# Altium PCB PCB1.PcbDoc (part 1 of 2)
Units mm, origin at the board's own origin, x right, y up, seen from the top; angles counter-clockwise.
Board outline 145.8 x 183.3 mm, 2 copper layers (TOP, BOTTOM), stack 1.571 mm thick; 149 components, 161 nets, 634 pads, 198 vias.
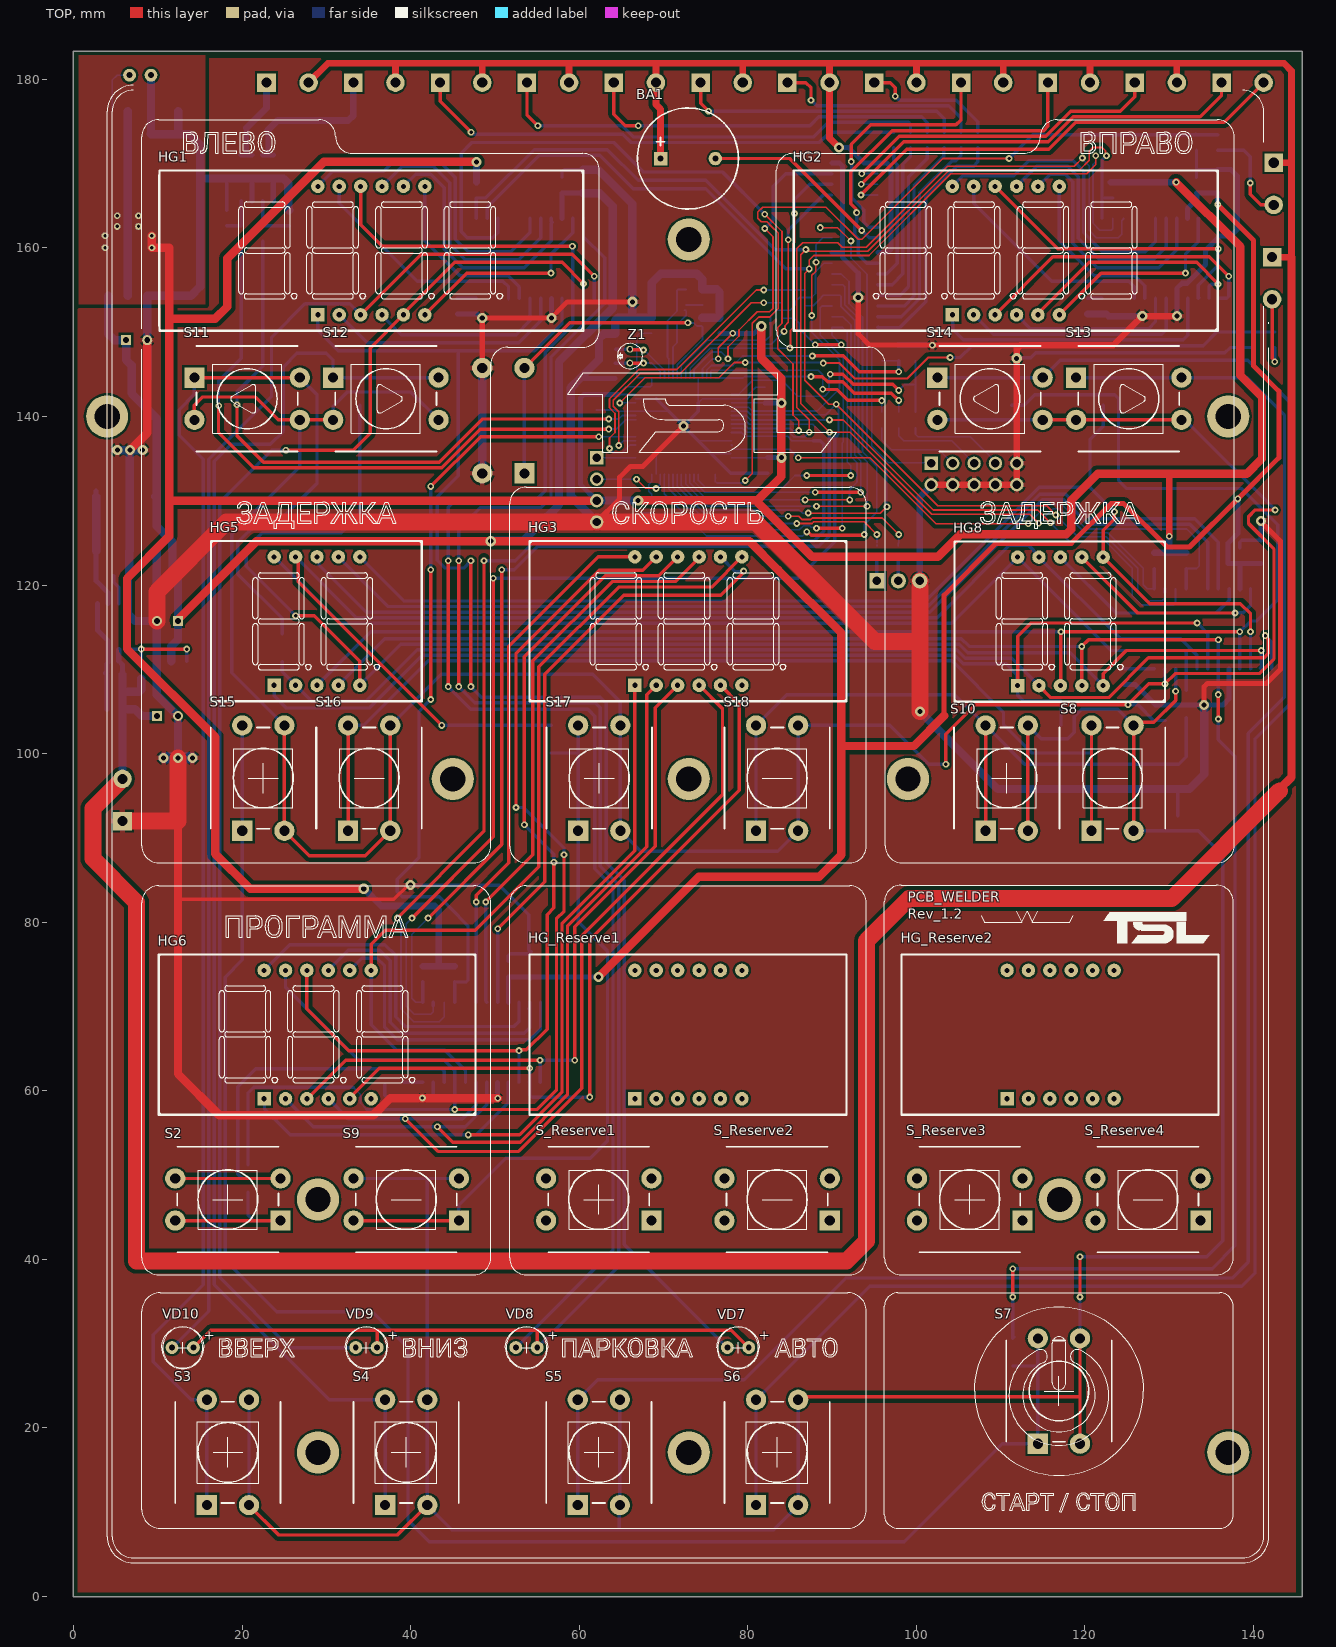
[diagram p0: TOP view]
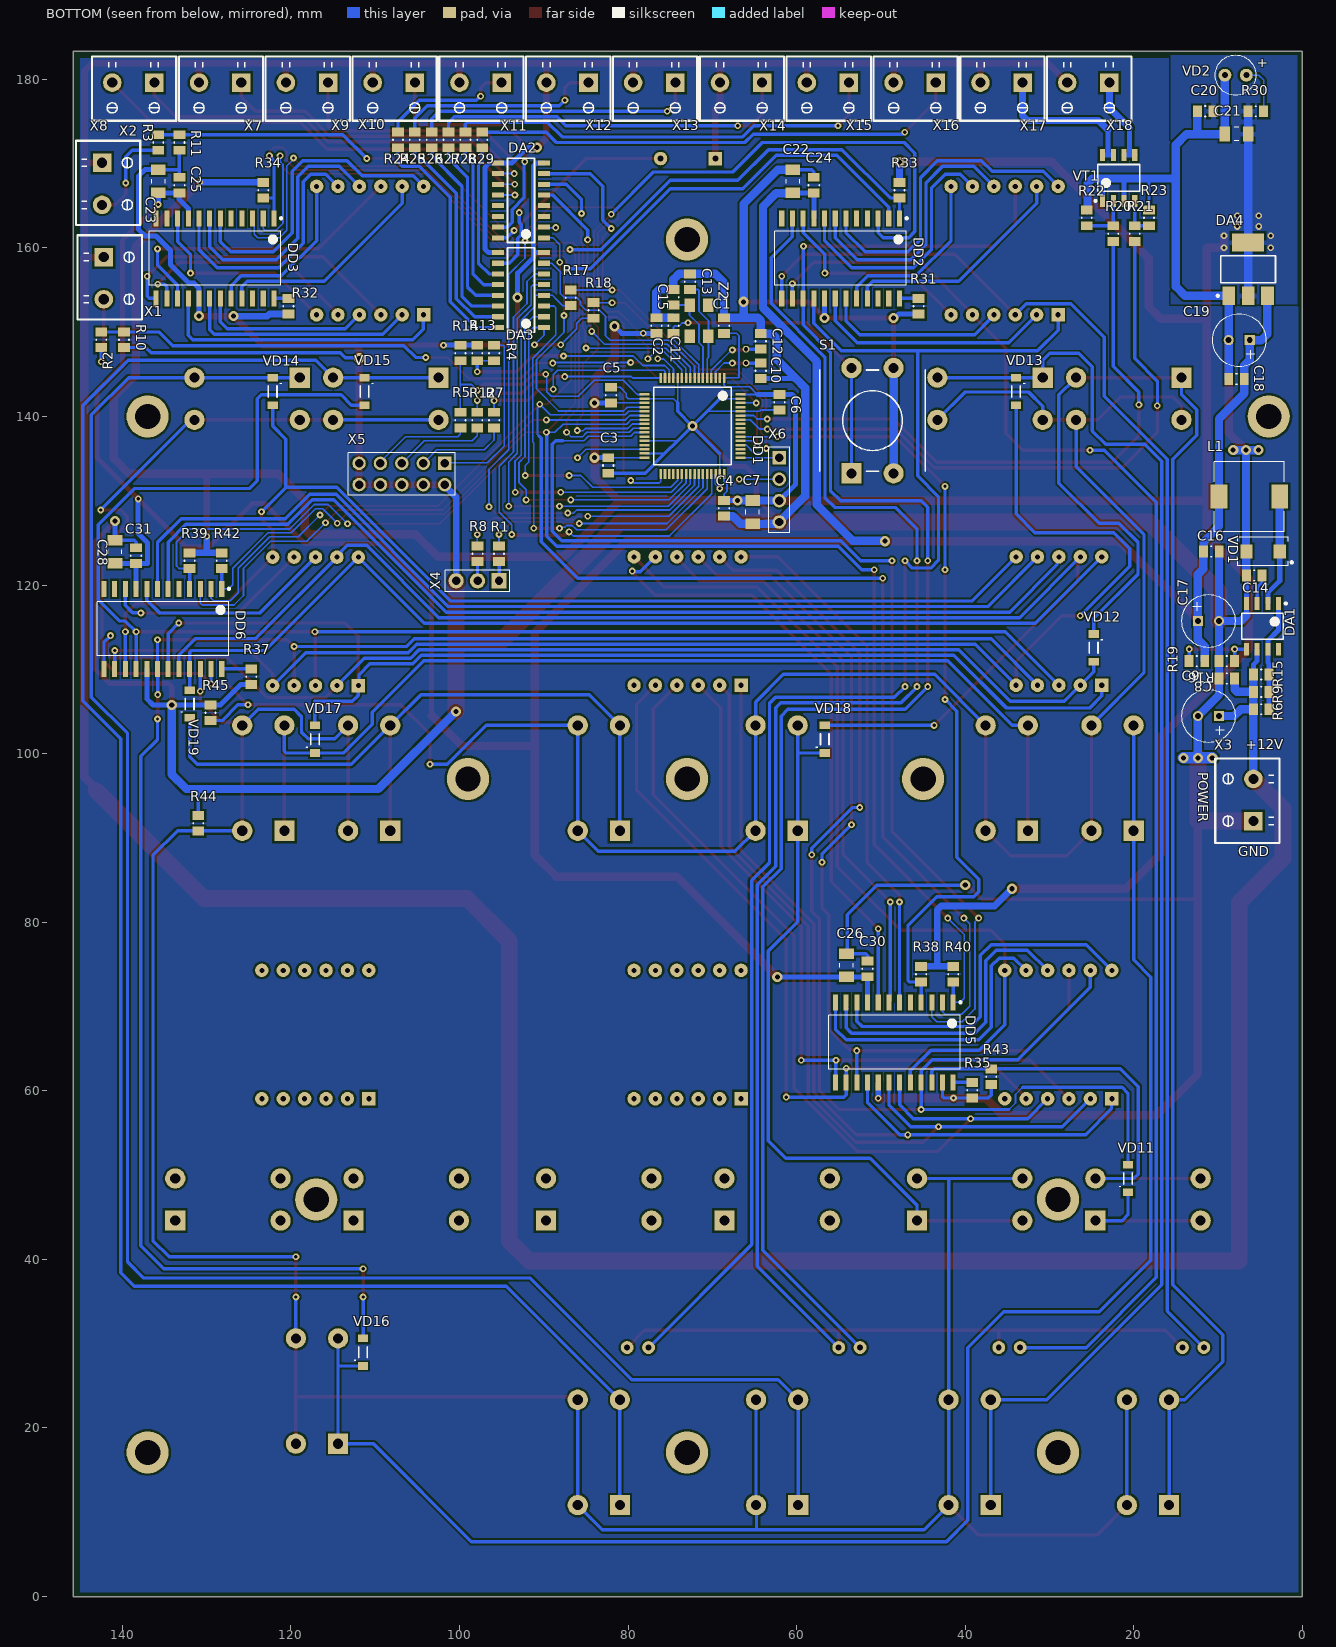
[diagram p1: BOTTOM view, seen from below]
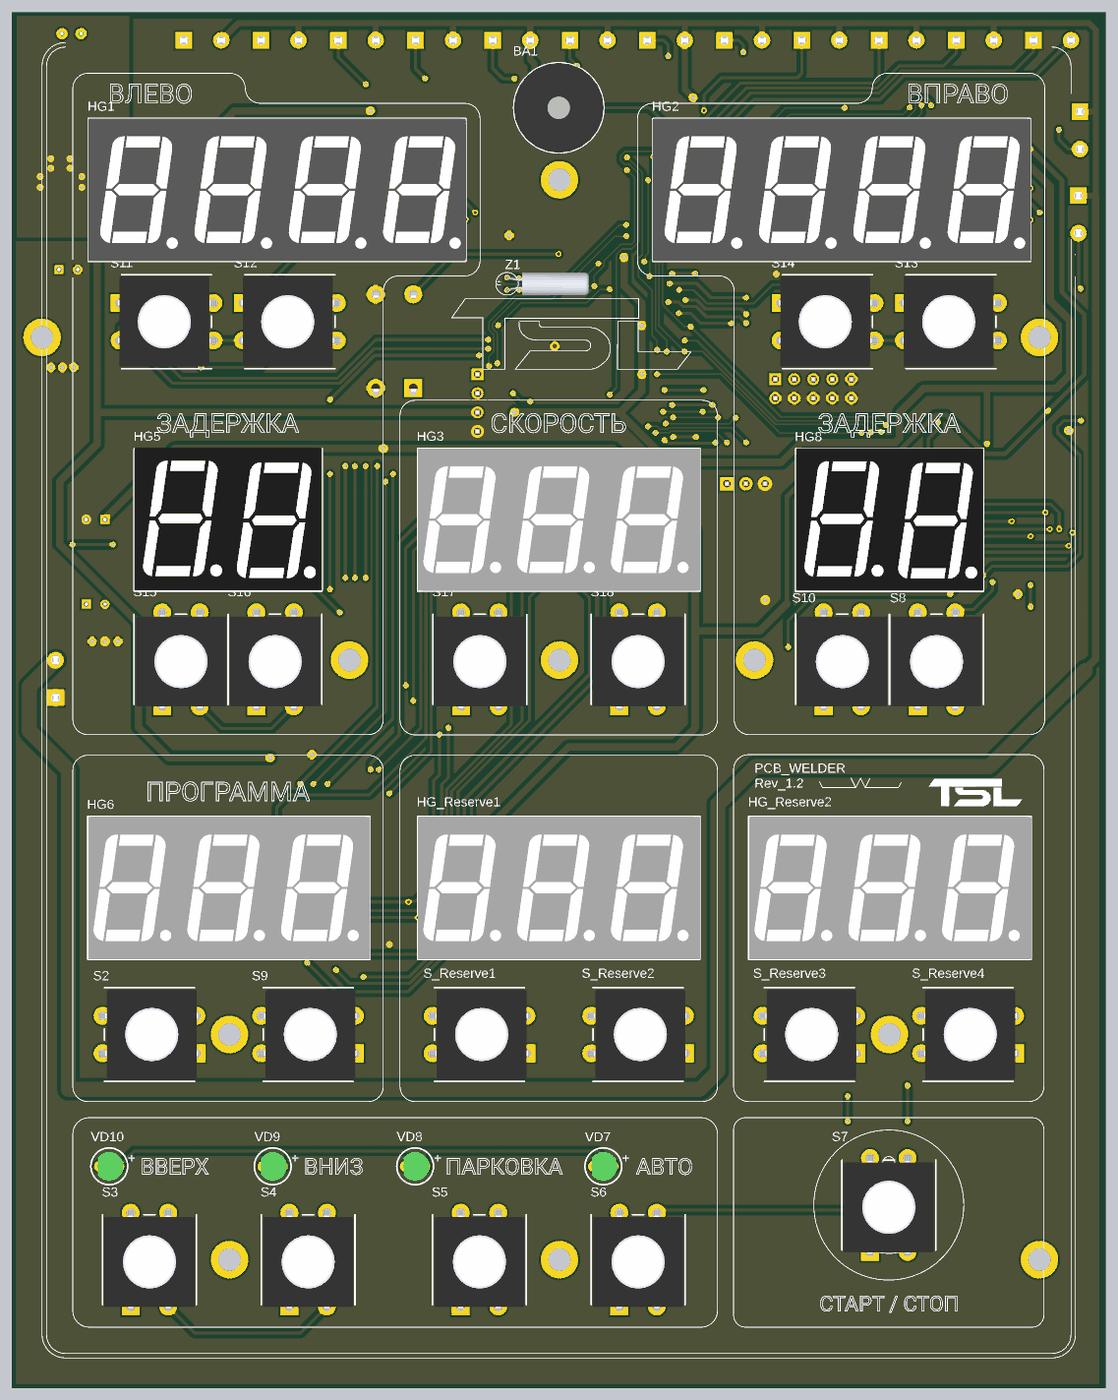
[diagram p3: 3D render of the assembled board from above, using the file's embedded part models]
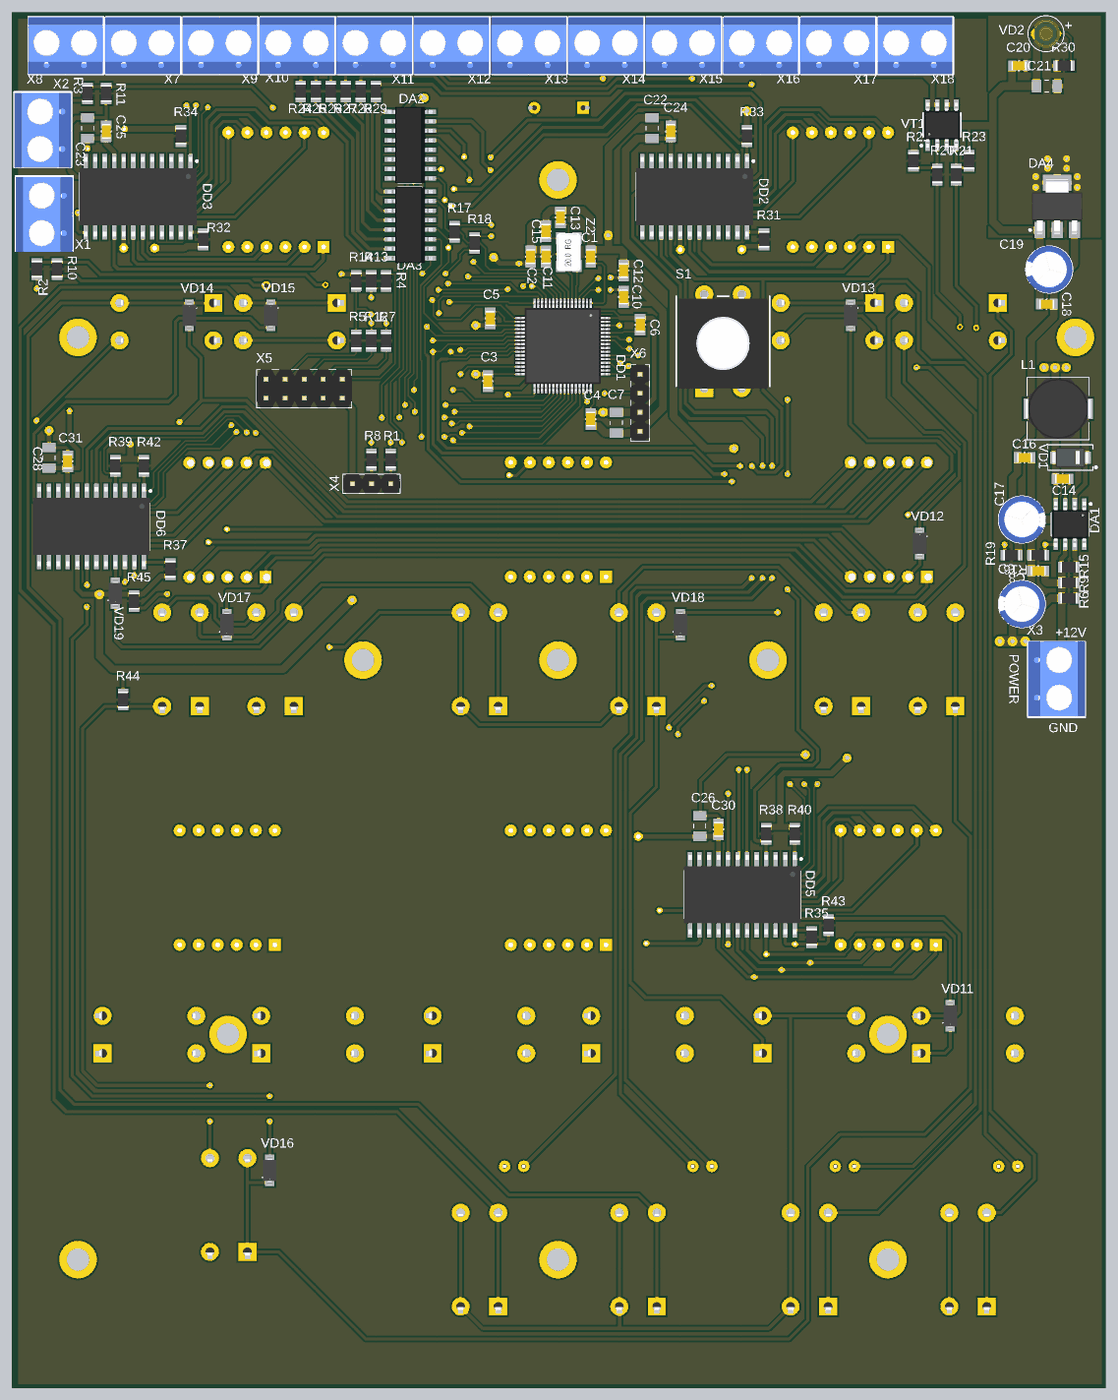
[diagram p4: 3D render of the assembled board from below, using the file's embedded part models]

## Layer stack, top to bottom
Top Solder: solder mask 0.0102, Solder Resist, Dk 3.5
TOP: signal copper 0.0356
Dielectric 1: dielectric 1.5, FR-4, Dk 4.8
BOTTOM: signal copper 0.0356
Bottom Solder: solder mask 0.0102, Solder Resist, Dk 3.5

## Board outline
0,0 145.8,0 145.8,183.3 0,183.3

## Design rules (kind name [scope] priority, off if disabled: settings)
Clearance Clearance_Poly-Mask_0.254mm [InPoly vs SolderMaskExpansion] p1: gap=0.254 ignorepadtopadclearanceinfootprint=FALSE
Clearance Clearance_Poly_0.5mm [InPolygon and InNet('GND')] p2: gap=0.5 ignorepadtopadclearanceinfootprint=FALSE
Clearance [All] p3: gap=0.254 ignorepadtopadclearanceinfootprint=TRUE except(0: Arc-Hole Track-Hole SMDPad-Hole THPad-Hole Via-Hole Fill-Hole Poly-Hole Region-Hole Text-Hole; 0.2: Arc-SMDPad Track-SMDPad)
HoleSize [All] p1: absolutevalues=TRUE maxlimit=4 minlimit=0.4 maxpercent=80.000 minpercent=20.000
MinimumSolderMaskSliver [All] p1: minsoldermaskwidth=0.1
PolygonConnect [All] p1: connectstyle=Relief reliefconductorwidth=0.6 reliefentries=4 polygonreliefangle="90 Angle" airgapwidth=0.254
RoutingVias [All] p1: holewidth=0.4 width=0.8 viastyle="Through Hole" minholewidth=0.4 minwidth=0.8 maxholewidth=1 maxwidth=2
SilkToSolderMaskClearance [IsPad] p1: minsilkscreentomaskgap=0.2 clearancetoexposedcopper=TRUE
SolderMaskExpansion [All] p1: expansion=0.055 istentingtop=FALSE
Width [All] p1: maxlimit=2 minlimit=0.2 preferedwidth=0.6
27 further rules are at their usual default settings.

## Classes and differential pairs
component class Sheet2: C22 C23 C24 C25 C26 C28 C30 C31 DD2 DD3 DD5 DD6 HG1 HG2 HG3 HG5 HG6 HG8 HG_Reserve2 R31 R32 R33 R34 R35 R38 R39 R43 R44 R45 S2 S3 S4 S5 S6 S7 S8 S9 S10 S11 S12 S13 S14 S15 S16 S17 S18 VD7 VD8 VD9 VD10 VD11 VD12 VD13 VD14 VD15 VD16 VD17 VD18 VD19
component class Sheet1: BA1 C1 C2 C3 C4 C5 C6 C7 C8 C9 C10 C11 C12 C13 C14 C15 C16 C17 C18 C19 C20 C21 DA1 DA2 DA3 DA4 DD1 L1 R1 R2 R3 R4 R5 R6 R7 R8 R9 R10 R11 R12 R13 R14 R15 R16 R17 R18 R19 R20 R21 R22 R23 R24 R25 R26 R27 R28 R29 R30 S1 VD1 VD2 VT1 X1 X2 X3 X4 X5 X6 X7 X8 X9 X10 X11 X12 X13 X14 X15 X16 X17 X18 Z1 Z2

## Components (designator, comment, footprint, x,y, rotation, side; value= is the part's Value field where it differs from the comment)
BA1 "Buzzer_HCM1212A" Buzzer_HCM1212A 69.65,170.6 r0 top
C1 "100n" Capacitor_0805 68.621,150.781 r270 bottom
C2 "100n" Capacitor_0805 76.646,150.781 r270 bottom
C3 "100n" Capacitor_0805 82.361,134.181 r90 bottom
C4 "100n" Capacitor_0805 68.621,129.101 r90 bottom
C5 "100n" Capacitor_0805 82.044,142.531 r90 bottom
C6 "100n" Capacitor_0805 62.041,141.681 r90 bottom
C7 "22u" CAPACITOR_1206 65.216,128.651 r270 bottom
C8 "100n" Capacitor_0805 8.975,108.91 r0 bottom
C9 "220u" Capacitor_Electrolit_6.3x11 9.9,104.465 r0 bottom
C10 "100p" Capacitor_0805 64.264,145.406 r90 bottom
C11 "100n" Capacitor_0805 74.621,150.781 r270 bottom
C12 "100p" Capacitor_0805 64.264,148.906 r270 bottom
C13 "20p" Capacitor_0805 72.666,155.994 r270 bottom
C14 "2.2n" Capacitor_0805 5.716,121.134 r180 bottom
C15 "20p" Capacitor_0805 74.621,154.144 r270 bottom
C16 "100n" Capacitor_0805 10.796,123.991 r180 bottom
C17 "470u" Capacitor_Electrolit_6.3x11 12.4,115.736 r180 bottom
C18 "100nF" Capacitor_0805 7.825,144.449 r0 bottom
C19 "47uF" Capacitor_Electrolit_6.3x11 6.25,149.053 r0 bottom
C20 "10nF" Capacitor_0805 11.53,176.199 r0 bottom
C21 "22u" CAPACITOR_1206 7.825,173.5 r0 bottom
C22 "22u" CAPACITOR_1206 60.463,167.904 r90 bottom
C23 "22u" CAPACITOR_1206 135.731,167.904 r90 bottom
C24 "100n" Capacitor_0805 57.965,167.454 r270 bottom
C25 "100n" Capacitor_0805 133.234,167.454 r270 bottom
C26 "22u" CAPACITOR_1206 54.089,74.898 r90 bottom
C28 "22u" CAPACITOR_1206 140.867,123.949 r90 bottom
C30 "100n" Capacitor_0805 51.588,74.452 r270 bottom
C31 "100n" Capacitor_0805 138.37,123.499 r270 bottom
DA1 "NCP3063B" SOIC8 4.736,115.101 r270 bottom
DA2 "ULN2003" MCP3208_SOIC16 92.71,165.637 r0 bottom
DA3 "ULN2003" MCP3208_SOIC16 92.71,155.001 r0 bottom
DA4 "LM1117MP-3.3" NCP1117_SOT223 6.45,157.466 r90 bottom
DD1 "STM32F103RBT6" STM32F103RBT6_LQFP64 72.371,138.856 r270 bottom
DD2 "STLED316S" SO-24 54.79,158.756 r270 bottom
DD3 "STLED316S" SO-24 129,158.756 r270 bottom
DD5 "STLED316S" SO-24 48.417,65.75 r270 bottom
DD6 "STLED316S" SO-24 135.195,114.801 r270 bottom
HG1 "FYQ-5641BG-21" FYQ-5641BG-21 28.99,152.061 r0 top
HG2 "FYQ-5641BG-21" FYQ-5641BG-21 104.259,152.061 r0 top
HG3 "FYT-5631Bx" FYT-5631BX 66.6,108.109 r0 top
HG5 "FYD-5621Bx" FYD-5621Bx 23.812,108.109 r0 top
HG6 "FYT-5631Bx" FYT-5631BX 22.617,59.055 r0 top
HG8 "FYD-5621Bx" FYD-5621Bx 112.005,108.061 r0 top
HG_Reserve1 "FYT-5631Bx" FYT-5631BX 66.6,59.055 r0 top (schematic designator HG4)
HG_Reserve2 "FYT-5631Bx" FYT-5631BX 110.754,59.055 r0 top (schematic designator HG7)
L1 "47u" INDUCTOR_CDRH8D28 6.3,130.5 r0 bottom
R1 "200" RESISTOR_SMD0805 95.32,123.7 r270 bottom
R2 "10k" RESISTOR_SMD0805 142.5,149.1 r270 bottom
R3 "10k" RESISTOR_SMD0805 135.731,172.5 r270 bottom
R4 "10k" RESISTOR_SMD0805 95.9,147.525 r90 bottom
R5 "10k" RESISTOR_SMD0805 99.9,139.575 r270 bottom
R6 "1" RESISTOR_SMD0805 4.895,105.259 r0 bottom
R7 "200" RESISTOR_SMD0805 95.9,139.575 r270 bottom
R8 "200" RESISTOR_SMD0805 97.86,123.7 r270 bottom
R9 "1" RESISTOR_SMD0805 4.895,107.323 r0 bottom
R10 "3.0k" RESISTOR_SMD0805 139.8,149.1 r90 bottom
R11 "3.0k" RESISTOR_SMD0805 133.234,172.5 r90 bottom
R12 "200" RESISTOR_SMD0805 97.9,139.575 r270 bottom
R13 "3.0k" RESISTOR_SMD0805 97.9,147.525 r270 bottom
R14 "3.0k" RESISTOR_SMD0805 99.9,147.525 r270 bottom
R15 "1" RESISTOR_SMD0805 4.895,109.386 r0 bottom
R16 "1k, 1%" RESISTOR_SMD0805 8.975,110.974 r180 bottom
R17 "10K" RESISTOR_SMD0805 86.8,154.075 r270 bottom
R18 "10K" RESISTOR_SMD0805 84.1,152.575 r270 bottom
R19 "3k, 1%" RESISTOR_SMD0805 12.515,110.974 r0 bottom
R20 "100" RESISTOR_SMD0805 22.435,161.7 r270 bottom
R21 "100" RESISTOR_SMD0805 19.895,161.7 r270 bottom
R22 "10k" RESISTOR_SMD0805 25.6,163.55 r270 bottom
R23 "10k" RESISTOR_SMD0805 18.2,163.55 r270 bottom
R24 "470" RESISTOR_SMD0805 107.3,172.8 r270 bottom
R25 "470" RESISTOR_SMD0805 105.3,172.8 r270 bottom
R26 "470" RESISTOR_SMD0805 103.3,172.8 r270 bottom
R27 "470" RESISTOR_SMD0805 101.3,172.8 r270 bottom
R28 "470" RESISTOR_SMD0805 99.3,172.8 r270 bottom
R29 "470" RESISTOR_SMD0805 97.3,172.8 r270 bottom
R30 "1k" RESISTOR_SMD0805 5.525,176.199 r0 bottom
R31 "470" RESISTOR_SMD0805 45.54,153.081 r90 bottom
R32 "470" RESISTOR_SMD0805 120.3,153.081 r90 bottom
R33 "10k" RESISTOR_SMD0805 47.805,166.846 r90 bottom
R34 "10k" RESISTOR_SMD0805 123.285,166.846 r90 bottom
R35 "470" RESISTOR_SMD0805 39.167,60.075 r90 bottom
R37 "470" RESISTOR_SMD0805 124.7,109.126 r90 bottom
R38 "10k" RESISTOR_SMD0805 45.242,73.84 r90 bottom
R39 "10k" RESISTOR_SMD0805 132.02,122.891 r90 bottom
R40 "10k" RESISTOR_SMD0805 41.432,73.84 r90 bottom
R42 "10k" RESISTOR_SMD0805 128.21,122.891 r90 bottom
R43 "10k" RESISTOR_SMD0805 36.924,61.675 r90 bottom
R44 "10k" RESISTOR_SMD0805 131,91.725 r270 bottom
R45 "10k" RESISTOR_SMD0805 129.54,104.85 r270 bottom
S1 "DTS-26 12x12x9.5" "Tact Switch_DTS-26_12x12x95" 51,139.5 r90 bottom
S2 "DTS-26 12x12x9.5" "Tact Switch_DTS-26_12x12x95" 18.323,47.1 r180 top
S3 "DTS-26 12x12x9.5" "Tact Switch_DTS-26_12x12x95" 18.323,17.1 r90 top
S4 "DTS-26 12x12x9.5" "Tact Switch_DTS-26_12x12x95" 39.477,17.1 r90 top
S5 "DTS-26 12x12x9.5" "Tact Switch_DTS-26_12x12x95" 62.323,17.1 r90 top
S6 "DTS-26 12x12x9.5" "Tact Switch_DTS-26_12x12x95" 83.477,17.1 r90 top
S7 "DTS-26 12x12x9.5" "Tact Switch_DTS-26_12x12x95" 116.911,24.381 r90 top
S8 "DTS-26 12x12x9.5" "Tact Switch_DTS-26_12x12x95" 123.275,97.1 r90 top
S9 "DTS-26 12x12x9.5" "Tact Switch_DTS-26_12x12x95" 39.477,47.1 r180 top
S10 "DTS-26 12x12x9.5" "Tact Switch_DTS-26_12x12x95" 110.721,97.1 r90 top
S11 "DTS-26 12x12x9.5" "Tact Switch_DTS-26_12x12x95" 20.602,142.1 r0 top
S12 "DTS-26 12x12x9.5" "Tact Switch_DTS-26_12x12x95" 37.063,142.1 r0 top
S13 "DTS-26 12x12x9.5" "Tact Switch_DTS-26_12x12x95" 125.198,142.1 r0 top
S14 "DTS-26 12x12x9.5" "Tact Switch_DTS-26_12x12x95" 108.737,142.1 r0 top
S15 "DTS-26 12x12x9.5" "Tact Switch_DTS-26_12x12x95" 22.525,97.1 r90 top
S16 "DTS-26 12x12x9.5" "Tact Switch_DTS-26_12x12x95" 35.079,97.1 r90 top
S17 "DTS-26 12x12x9.5" "Tact Switch_DTS-26_12x12x95" 62.378,97.1 r90 top
S18 "DTS-26 12x12x9.5" "Tact Switch_DTS-26_12x12x95" 83.477,97.1 r90 top
S_Reserve1 "DTS-26 12x12x9.5" "Tact Switch_DTS-26_12x12x95" 62.323,47.1 r180 top (schematic designator S8)
S_Reserve2 "DTS-26 12x12x9.5" "Tact Switch_DTS-26_12x12x95" 83.477,47.1 r180 top (schematic designator S8)
S_Reserve3 "DTS-26 12x12x9.5" "Tact Switch_DTS-26_12x12x95" 106.323,47.1 r180 top (schematic designator S8)
S_Reserve4 "DTS-26 12x12x9.5" "Tact Switch_DTS-26_12x12x95" 127.477,47.1 r180 top (schematic designator S8)
VD1 "STPS1L30A" DIODE_STPS1L30A 4.666,123.991 r0 bottom
VD2 "LED_FYL-3014GD1A" "LED_ FYL-3014GD1A" 9.2,180.485 r180 bottom
VD7 "LED_FYL-3014GD1A" "LED_ FYL-3014GD1A" 77.574,29.537 r0 top
VD8 "LED_FYL-3014GD1A" "LED_ FYL-3014GD1A" 52.479,29.537 r0 top
VD9 "LED_FYL-3014GD1A" "LED_ FYL-3014GD1A" 33.49,29.537 r0 top
VD10 "LED_FYL-3014GD1A" "LED_ FYL-3014GD1A" 11.695,29.537 r0 top
VD11 "MMSD4148" Diode_MMSD4148 20.7,49.6 r90 bottom
VD12 "MMSD4148" Diode_MMSD4148 24.765,112.554 r270 bottom
VD13 "MMSD4148" Diode_MMSD4148 33.973,142.96 r270 bottom
VD14 "MMSD4148" Diode_MMSD4148 122.165,142.96 r270 bottom
VD15 "MMSD4148" Diode_MMSD4148 111.284,142.96 r270 bottom
VD16 "MMSD4148" Diode_MMSD4148 111.442,28.991 r90 bottom
VD17 "MMSD4148" Diode_MMSD4148 117.157,101.71 r90 bottom
VD18 "MMSD4148" Diode_MMSD4148 56.674,101.71 r90 bottom
VD19 "MMSD4148" Diode_MMSD4148 132.02,105.886 r90 bottom
VT1 "IRF7341" IRF7341_SO-8/SOIC-8 21.8,168.3 r90 bottom
X1 "Connector_DG306-5.0-02P" CONNECTOR_DG306-5.0-02P 142.2,158.9 r270 bottom
X2 "Connector_DG306-5.0-02P" CONNECTOR_DG306-5.0-02P 142.4,170.1 r270 bottom
X3 "Connector_DG306-5.0-02P" CONNECTOR_DG306-5.0-02P 5.82,92 r90 bottom
X4 "Connector_PLS-3" CONNECTOR_PLS-3 95.32,120.5 r0 bottom
X5 "Connector_PLD-10" CONNECTOR_PLD-10 101.76,134.44 r0 bottom
X6 "Connector_PLS-4" CONNECTOR_PLS-4 62.071,135.096 r270 bottom
X7 "Connector_DG306-5.0-02P" CONNECTOR_DG306-5.0-02P 125.9,179.6 r0 bottom
X8 "Connector_DG306-5.0-02P" CONNECTOR_DG306-5.0-02P 136.2,179.6 r0 bottom
X9 "Connector_DG306-5.0-02P" CONNECTOR_DG306-5.0-02P 115.6,179.6 r0 bottom
X10 "Connector_DG306-5.0-02P" CONNECTOR_DG306-5.0-02P 105.3,179.6 r0 bottom
X11 "Connector_DG306-5.0-02P" CONNECTOR_DG306-5.0-02P 95,179.6 r0 bottom
X12 "Connector_DG306-5.0-02P" CONNECTOR_DG306-5.0-02P 84.7,179.6 r0 bottom
X13 "Connector_DG306-5.0-02P" CONNECTOR_DG306-5.0-02P 74.4,179.6 r0 bottom
X14 "Connector_DG306-5.0-02P" CONNECTOR_DG306-5.0-02P 64.1,179.6 r0 bottom
X15 "Connector_DG306-5.0-02P" CONNECTOR_DG306-5.0-02P 53.8,179.6 r0 bottom
X16 "Connector_DG306-5.0-02P" CONNECTOR_DG306-5.0-02P 43.5,179.6 r0 bottom
X17 "Connector_DG306-5.0-02P" CONNECTOR_DG306-5.0-02P 33.2,179.6 r0 bottom
X18 "Connector_DG306-5.0-02P" CONNECTOR_DG306-5.0-02P 22.9,179.6 r0 bottom
Z1 "32768Hz" Quartz_32768kHz 66.01,146.606 r90 top
Z2 "Quartz_KX-9A" Quartz_KX-9 71.566,151.369 r90 bottom
